# Altium PCB sudoku.PcbDoc (part 1 of 3)
Units mm, origin at the board's own origin, x right, y up, seen from the top; angles counter-clockwise.
Board outline 132.88 x 176.62 mm, 2 copper layers (Top Layer, Bottom Layer); 202 components, 219 nets, 913 pads, 533 vias.
Unrouted connection lines stored in the file: 35.
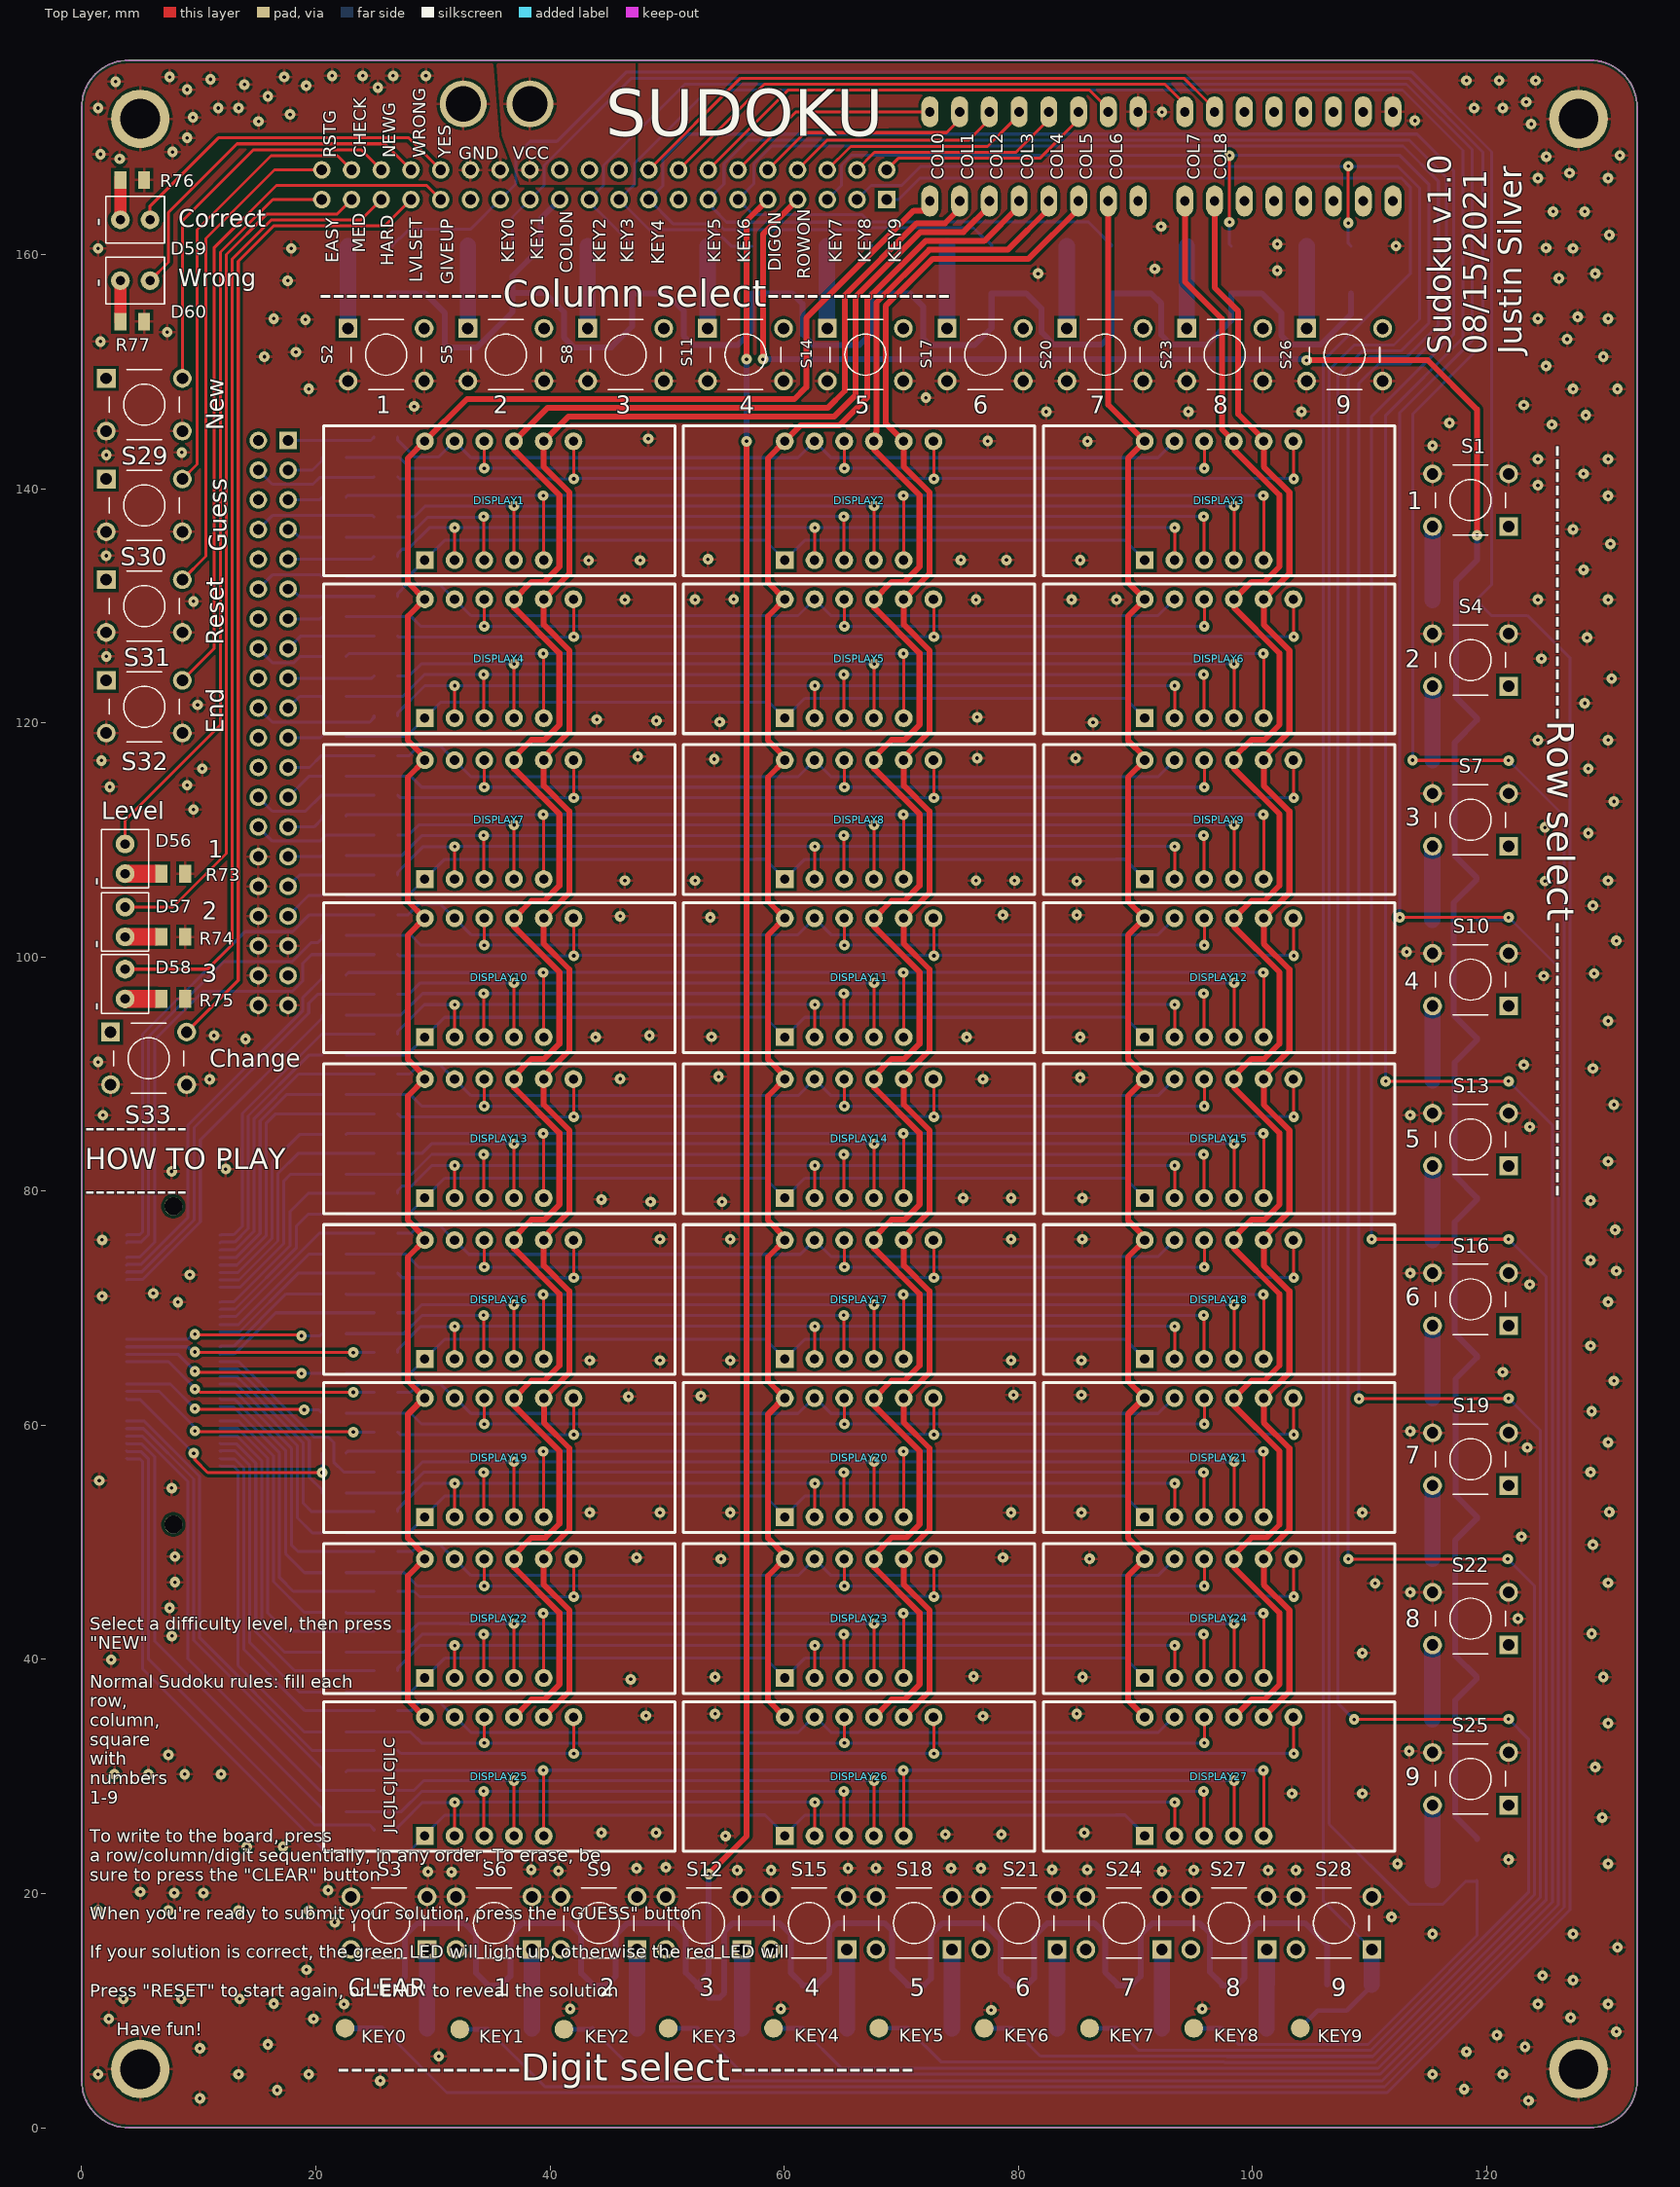
[diagram p0: Top Layer view]
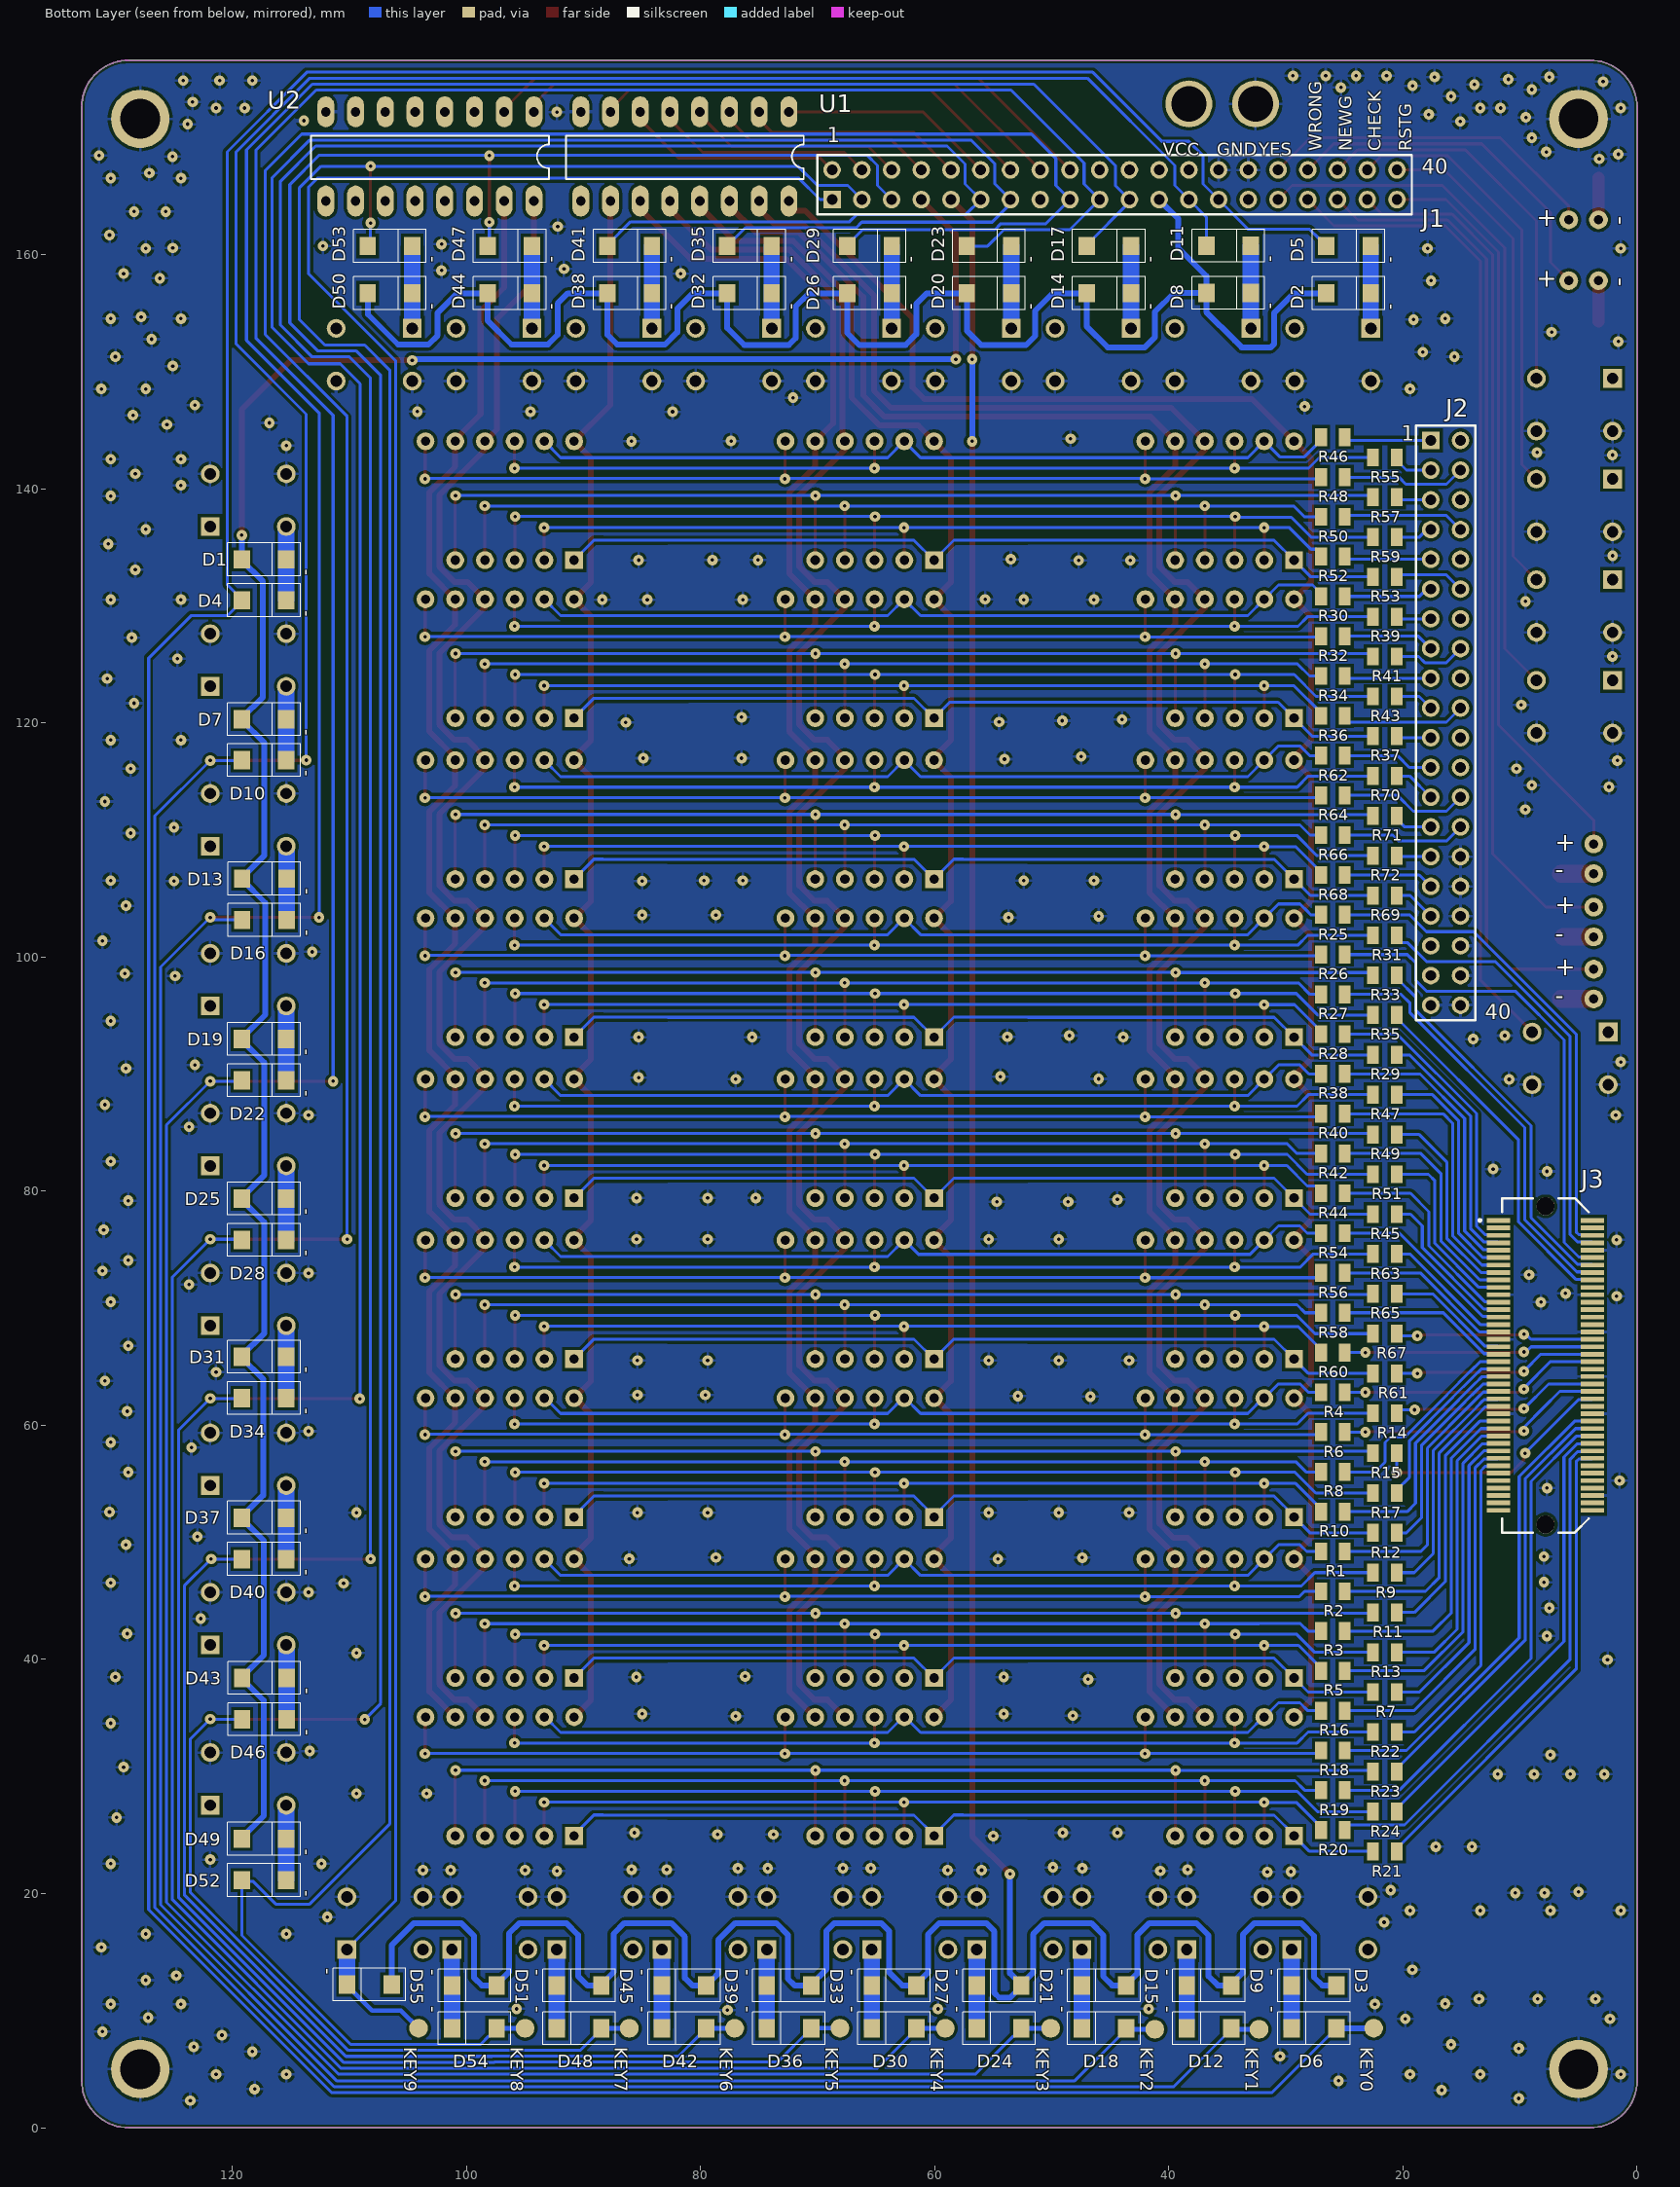
[diagram p1: Bottom Layer view, seen from below]
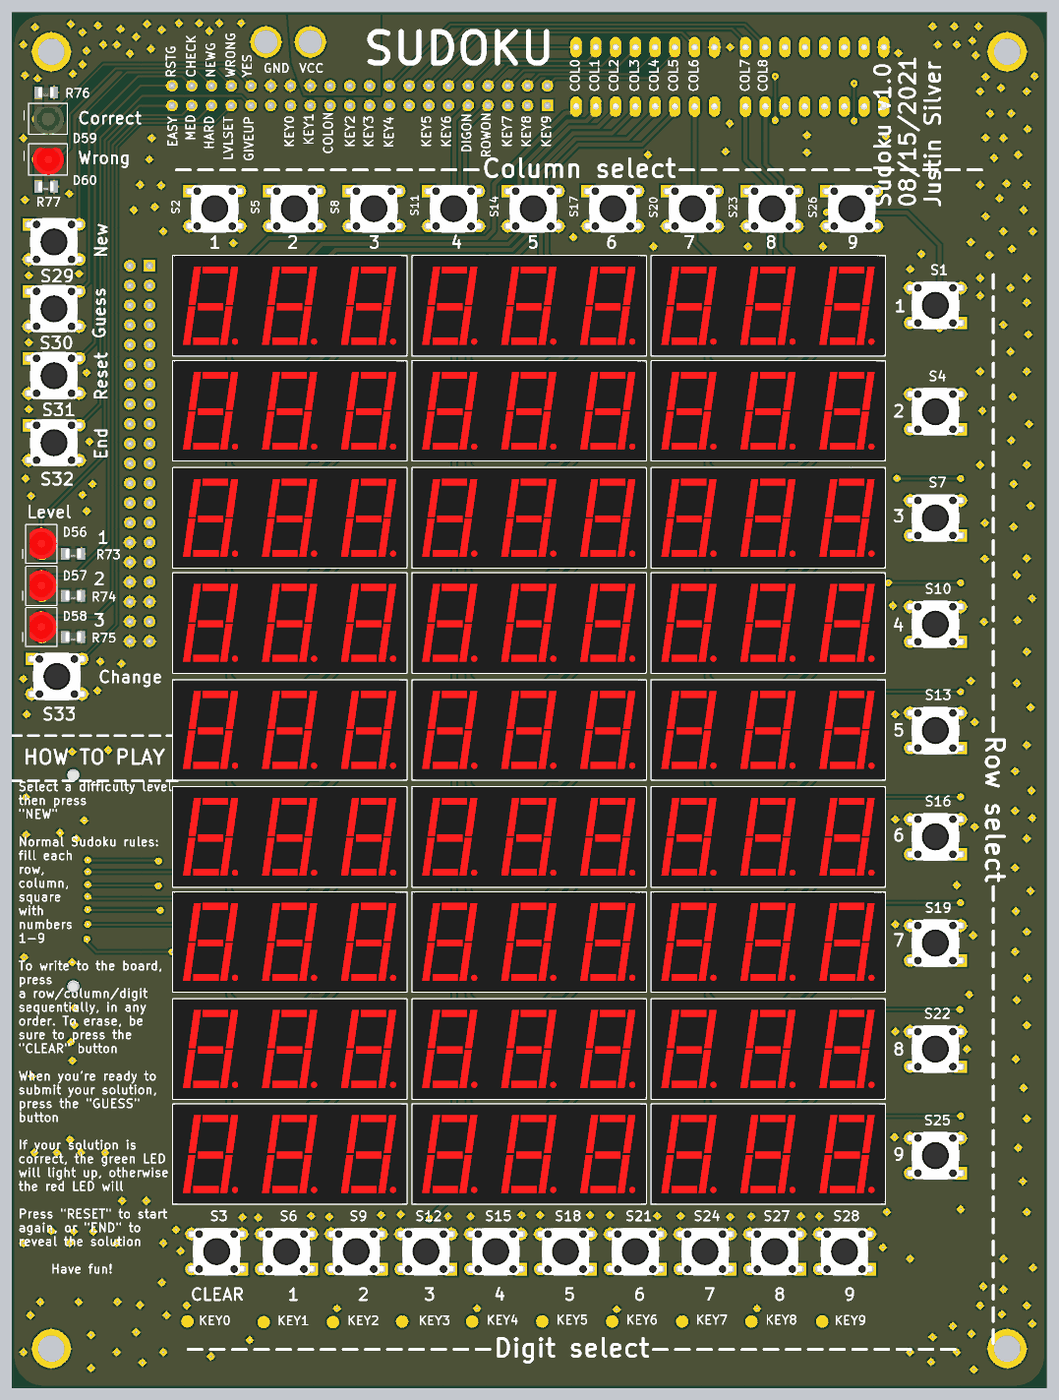
[diagram p4: 3D render of the assembled board from above, using the file's embedded part models]
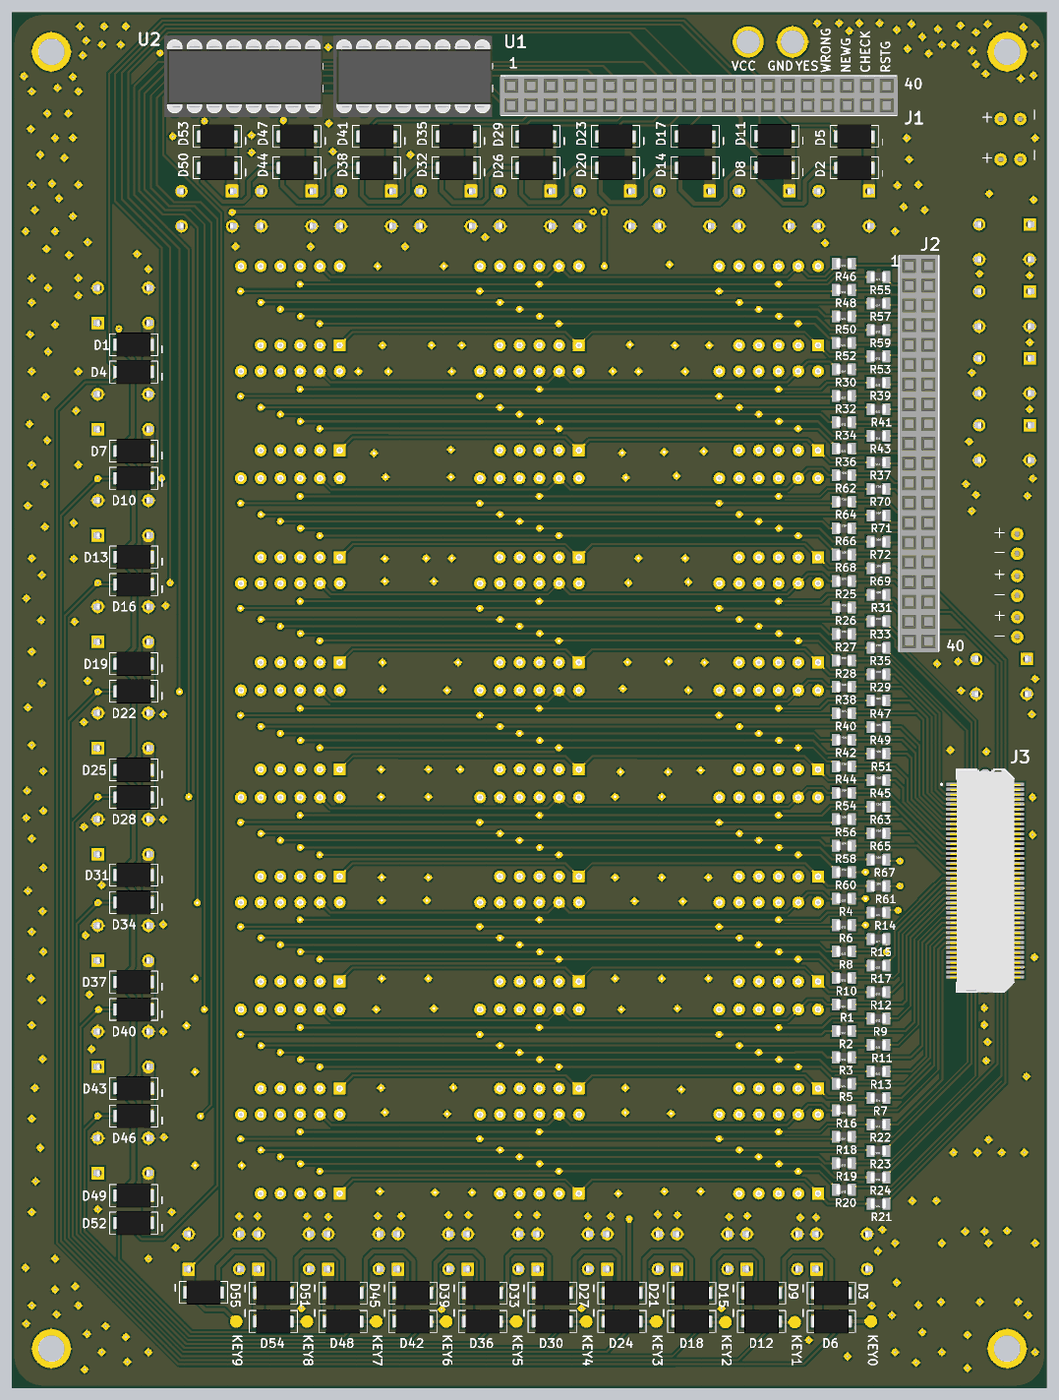
[diagram p5: 3D render of the assembled board from below, using the file's embedded part models]

## Layer stack, top to bottom
Top Solder: solder mask 0.0102, Solder Resist, Dk 3.5
Top Layer: signal copper 0.0356
Dielectric 1: dielectric 0.32, FR-4, Dk 4.8
Bottom Layer: signal copper 0.0356
Bottom Solder: solder mask 0.0102, Solder Resist, Dk 3.5

## Board outline
4,176.625 128.865,176.625 cw(c128.875,172.625) 132.875,172.625 132.875,4 cw(c128.875,4) 128.875,0 4,0 cw(c4,4) 0,4 0,172.625 cw(c4,172.625)

## Design rules (kind name [scope] priority, off if disabled: settings)
BoardOutlineClearance JCLPCB_BoardOutlineClearance [All] p1: gap=0.254 ignorepadtopadclearanceinfootprint=FALSE except(0: Arc-SplitContinuation Track-SplitContinuation SMDPad-SplitContinuation THPad-SplitContinuation Via-SplitContinuation Fill-SplitContinuation Poly-SplitContinuation Region-SplitContinuation Text-SplitContinuation)
Clearance "Stitching GND" [IsStitchingVia and InNet('GND') vs (IsVia and (Not IsStitchingVia)) Or IsPad] p1: gap=0.254 ignorepadtopadclearanceinfootprint=FALSE except(0: Arc-Hole Track-Hole SMDPad-Hole THPad-Hole Via-Hole Fill-Hole Poly-Hole Region-Hole Text-Hole; 0.2: SMDPad-SMDPad; 0.33: Arc-THPad Track-THPad; 0.5: THPad-THPad)
Clearance JCLPCB_Clearance [All] p2: gap=0.254 ignorepadtopadclearanceinfootprint=FALSE except(0: Arc-Hole Track-Hole SMDPad-Hole THPad-Hole Via-Hole Fill-Hole Poly-Hole Region-Hole Text-Hole; 0.2: SMDPad-SMDPad; 0.33: Arc-THPad Track-THPad; 0.5: THPad-THPad)
Clearance [All] p3: gap=0.254 ignorepadtopadclearanceinfootprint=FALSE except(0: Arc-Hole Track-Hole SMDPad-Hole THPad-Hole Via-Hole Fill-Hole Poly-Hole Region-Hole Text-Hole)
HoleSize JCLPCB_hole [All] p1: absolutevalues=TRUE maxlimit=6.3 minlimit=0.2 maxpercent=80.000 minpercent=20.000
HoleSize UNISTRA_hole [All] p2: absolutevalues=TRUE maxlimit=2.54 minlimit=0.5 maxpercent=80.000 minpercent=20.000
HoleSize [All] p3: absolutevalues=TRUE maxlimit=2.54 minlimit=0.025 maxpercent=80.000 minpercent=20.000
HoleToHoleClearance JCL_PCB_HoleToHoleClearance [All] p1: gap=0.5 allowstackedmicrovias=TRUE
HoleToHoleClearance [All] p2: gap=0.254 allowstackedmicrovias=TRUE
MinimumAnnularRing "JCLPCB_Min annular ring" [All] p1: minimumring=0.3
MinimumSolderMaskSliver JCLPCB_MinimumSolderMaskSliver [All] p1: minsoldermaskwidth=0.254
MinimumSolderMaskSliver [All] p2: minsoldermaskwidth=0.254
PolygonConnect [All] p1: connectstyle=Relief reliefconductorwidth=0.254 reliefentries=4 polygonreliefangle="90 Angle" airgapwidth=0.254
RoutingVias JCLPCB_via [All] p1: holewidth=0.5 width=0.7 viastyle="Through Hole" minholewidth=0.3 minwidth=0.6 maxholewidth=0.711 maxwidth=1.27 // The 'amount' of conductive material in the via should be equal (or more) to the amount of conductive material in the trace.
RoutingVias UNISTRA_via [All] p2: holewidth=0.5 width=1.5 viastyle="Through Hole" minholewidth=0.5 minwidth=1.27 maxholewidth=1 maxwidth=2
RoutingVias [All] p3: holewidth=0.711 width=1.27 viastyle="Through Hole" minholewidth=0.711 minwidth=1.27 maxholewidth=0.711 maxwidth=1.27
SilkToSolderMaskClearance JCLPCB_SilkToSolderMaskClearance [IsPad] p1: minsilkscreentomaskgap=0.254 clearancetoexposedcopper=TRUE
SilkToSolderMaskClearance [IsPad] p2: minsilkscreentomaskgap=0.254 clearancetoexposedcopper=TRUE
SolderMaskExpansion JCLPCB_SolderMaskExpansion [All] p1: expansion=0.065 istentingtop=FALSE
SolderMaskExpansion [All] p2: expansion=0.102 istentingtop=FALSE
Width LED_column_signal [(InNetClass('/LEDCOL[8..0]') AND InNetClass('LEDCOL[8..0]'))] p1: maxlimit=2.5 minlimit=0.254 preferedwidth=0.254 minimp=50.000000 maximp=50.000000 favimp=50.000000 // Roughly 100 mA will be running through the LED common pins
Width JCLPCB_width [All] p2: maxlimit=2.5 minlimit=0.2 preferedwidth=1.4 minimp=50.000000 maximp=50.000000 favimp=50.000000
Width UNISTRA_gndvcc [(InNet('vcc') AND InNet('gnd'))] p3: maxlimit=2.5 minlimit=2 preferedwidth=2 minimp=50.000000 maximp=50.000000 favimp=50.000000
Width UNISTRA_signal [Not (InNet('gnd') AND InNet('vcc'))] p4: maxlimit=2.5 minlimit=1 preferedwidth=1 minimp=50.000000 maximp=50.000000 favimp=50.000000
Width [All] p5: maxlimit=0.254 minlimit=0.254 preferedwidth=0.254
26 further rules are at their usual default settings.

## Classes and differential pairs
component class miscellaneous: D56 D57 D58 D59 D60 R73 R74 R75 R76 R77 S29 S30 S31 S32 S33 U1 U2
component class display: DISPLAY1 DISPLAY2 DISPLAY3 DISPLAY4 DISPLAY5 DISPLAY6 DISPLAY7 DISPLAY8 DISPLAY9 DISPLAY10 DISPLAY11 DISPLAY12 DISPLAY13 DISPLAY14 DISPLAY15 DISPLAY16 DISPLAY17 DISPLAY18 DISPLAY19 DISPLAY20 DISPLAY21 DISPLAY22 DISPLAY23 DISPLAY24 DISPLAY25 DISPLAY26 DISPLAY27
component class connectors: J1 J2 J3 R1 R2 R3 R4 R5 R6 R7 R8 R9 R10 R11 R12 R13 R14 R15 R16 R17 R18 R19 R20 R21 R22 R23 R24 R25 R26 R27 R28 R29 R30 R31 R32 R33 R34 R35 R36 R37 R38 R39 R40 R41 R42 R43 R44 R45 R46 R47 R48 R49 R50 R51 R52 R53 R54 R55 R56 R57 R58 R59 R60 R61 R62 R63 R64 R65 R66 R67 R68 R69 R70 R71 R72
net class ROW8LED[7..0]: ROW8LED0 ROW8LED1 ROW8LED2 ROW8LED3 ROW8LED4 ROW8LED5 ROW8LED6 ROW8LED7
net class ROW7LED[7..0]: LEDROW70 LEDROW71 LEDROW72 LEDROW73 LEDROW74 LEDROW75 LEDROW76 LEDROW77 ROW7LED0 ROW7LED1 ROW7LED2 ROW7LED3 ROW7LED4 ROW7LED5 ROW7LED6 ROW7LED7
net class ROW6LED[7..0]: LEDROW60 LEDROW61 LEDROW62 LEDROW63 LEDROW64 LEDROW65 LEDROW66 LEDROW67 ROW6LED0 ROW6LED1 ROW6LED2 ROW6LED3 ROW6LED4 ROW6LED5 ROW6LED6 ROW6LED7
net class ROW5LED[7..0]: LEDROW50 LEDROW51 LEDROW52 LEDROW53 LEDROW54 LEDROW55 LEDROW56 LEDROW57 ROW5LED0 ROW5LED1 ROW5LED2 ROW5LED3 ROW5LED4 ROW5LED5 ROW5LED6 ROW5LED7
net class ROW4LED[7..0]: LEDROW40 LEDROW41 LEDROW42 LEDROW43 LEDROW44 LEDROW45 LEDROW46 LEDROW47 ROW4LED0 ROW4LED1 ROW4LED2 ROW4LED3 ROW4LED4 ROW4LED5 ROW4LED6 ROW4LED7
net class ROW3LED[7..0]: LEDROW30 LEDROW31 LEDROW32 LEDROW33 LEDROW34 LEDROW35 LEDROW36 LEDROW37 ROW3LED0 ROW3LED1 ROW3LED2 ROW3LED3 ROW3LED4 ROW3LED5 ROW3LED6 ROW3LED7
net class ROW2LED[7..0]: LEDROW20 LEDROW21 LEDROW22 LEDROW23 LEDROW24 LEDROW25 LEDROW26 LEDROW27 ROW2LED0 ROW2LED1 ROW2LED2 ROW2LED3 ROW2LED4 ROW2LED5 ROW2LED6 ROW2LED7
net class ROW1LED[7..0]: LEDROW10 LEDROW11 LEDROW12 LEDROW13 LEDROW14 LEDROW15 LEDROW16 LEDROW17 ROW1LED0 ROW1LED1 ROW1LED2 ROW1LED3 ROW1LED4 ROW1LED5 ROW1LED6 ROW1LED7
net class ROW0LED[7..0]: LEDROW00 LEDROW01 LEDROW02 LEDROW03 LEDROW04 LEDROW05 LEDROW06 LEDROW07 ROW0LED0 ROW0LED1 ROW0LED2 ROW0LED3 ROW0LED4 ROW0LED5 ROW0LED6 ROW0LED7
net class /LEDCOL[8..0]: /LEDCOL0 /LEDCOL1 /LEDCOL2 /LEDCOL3 /LEDCOL4 /LEDCOL5 /LEDCOL6 /LEDCOL7 /LEDCOL8
net class LEDCOL[8..0]: LEDCOL0 LEDCOL1 LEDCOL2 LEDCOL3 LEDCOL4 LEDCOL5 LEDCOL6 LEDCOL7 LEDCOL8
net class KEY[9..0]: KEY0 KEY1 KEY2 KEY3 KEY4 KEY5 KEY6 KEY7 KEY8 KEY9
component class keyboard: D1 D2 D3 D4 D5 D6 D7 D8 D9 D10 D11 D12 D13 D14 D15 D16 D17 D18 D19 D20 D21 D22 D23 D24 D25 D26 D27 D28 D29 D30 D31 D32 D33 D34 D35 D36 D37 D38 D39 D40 D41 D42 D43 D44 D45 D46 D47 D48 D49 D50 D51 D52 D53 D54 D55 S1 S2 S3 S4 S5 S6 S7 S8 S9 S10 S11 S12 S13 S14 S15 S16 S17 S18 S19 S20 S21 S22 S23 S24 S25 S26 S27 S28
